# Altium PCB DIO_RJ45.PCBDOC (part 1 of 3) (continued)
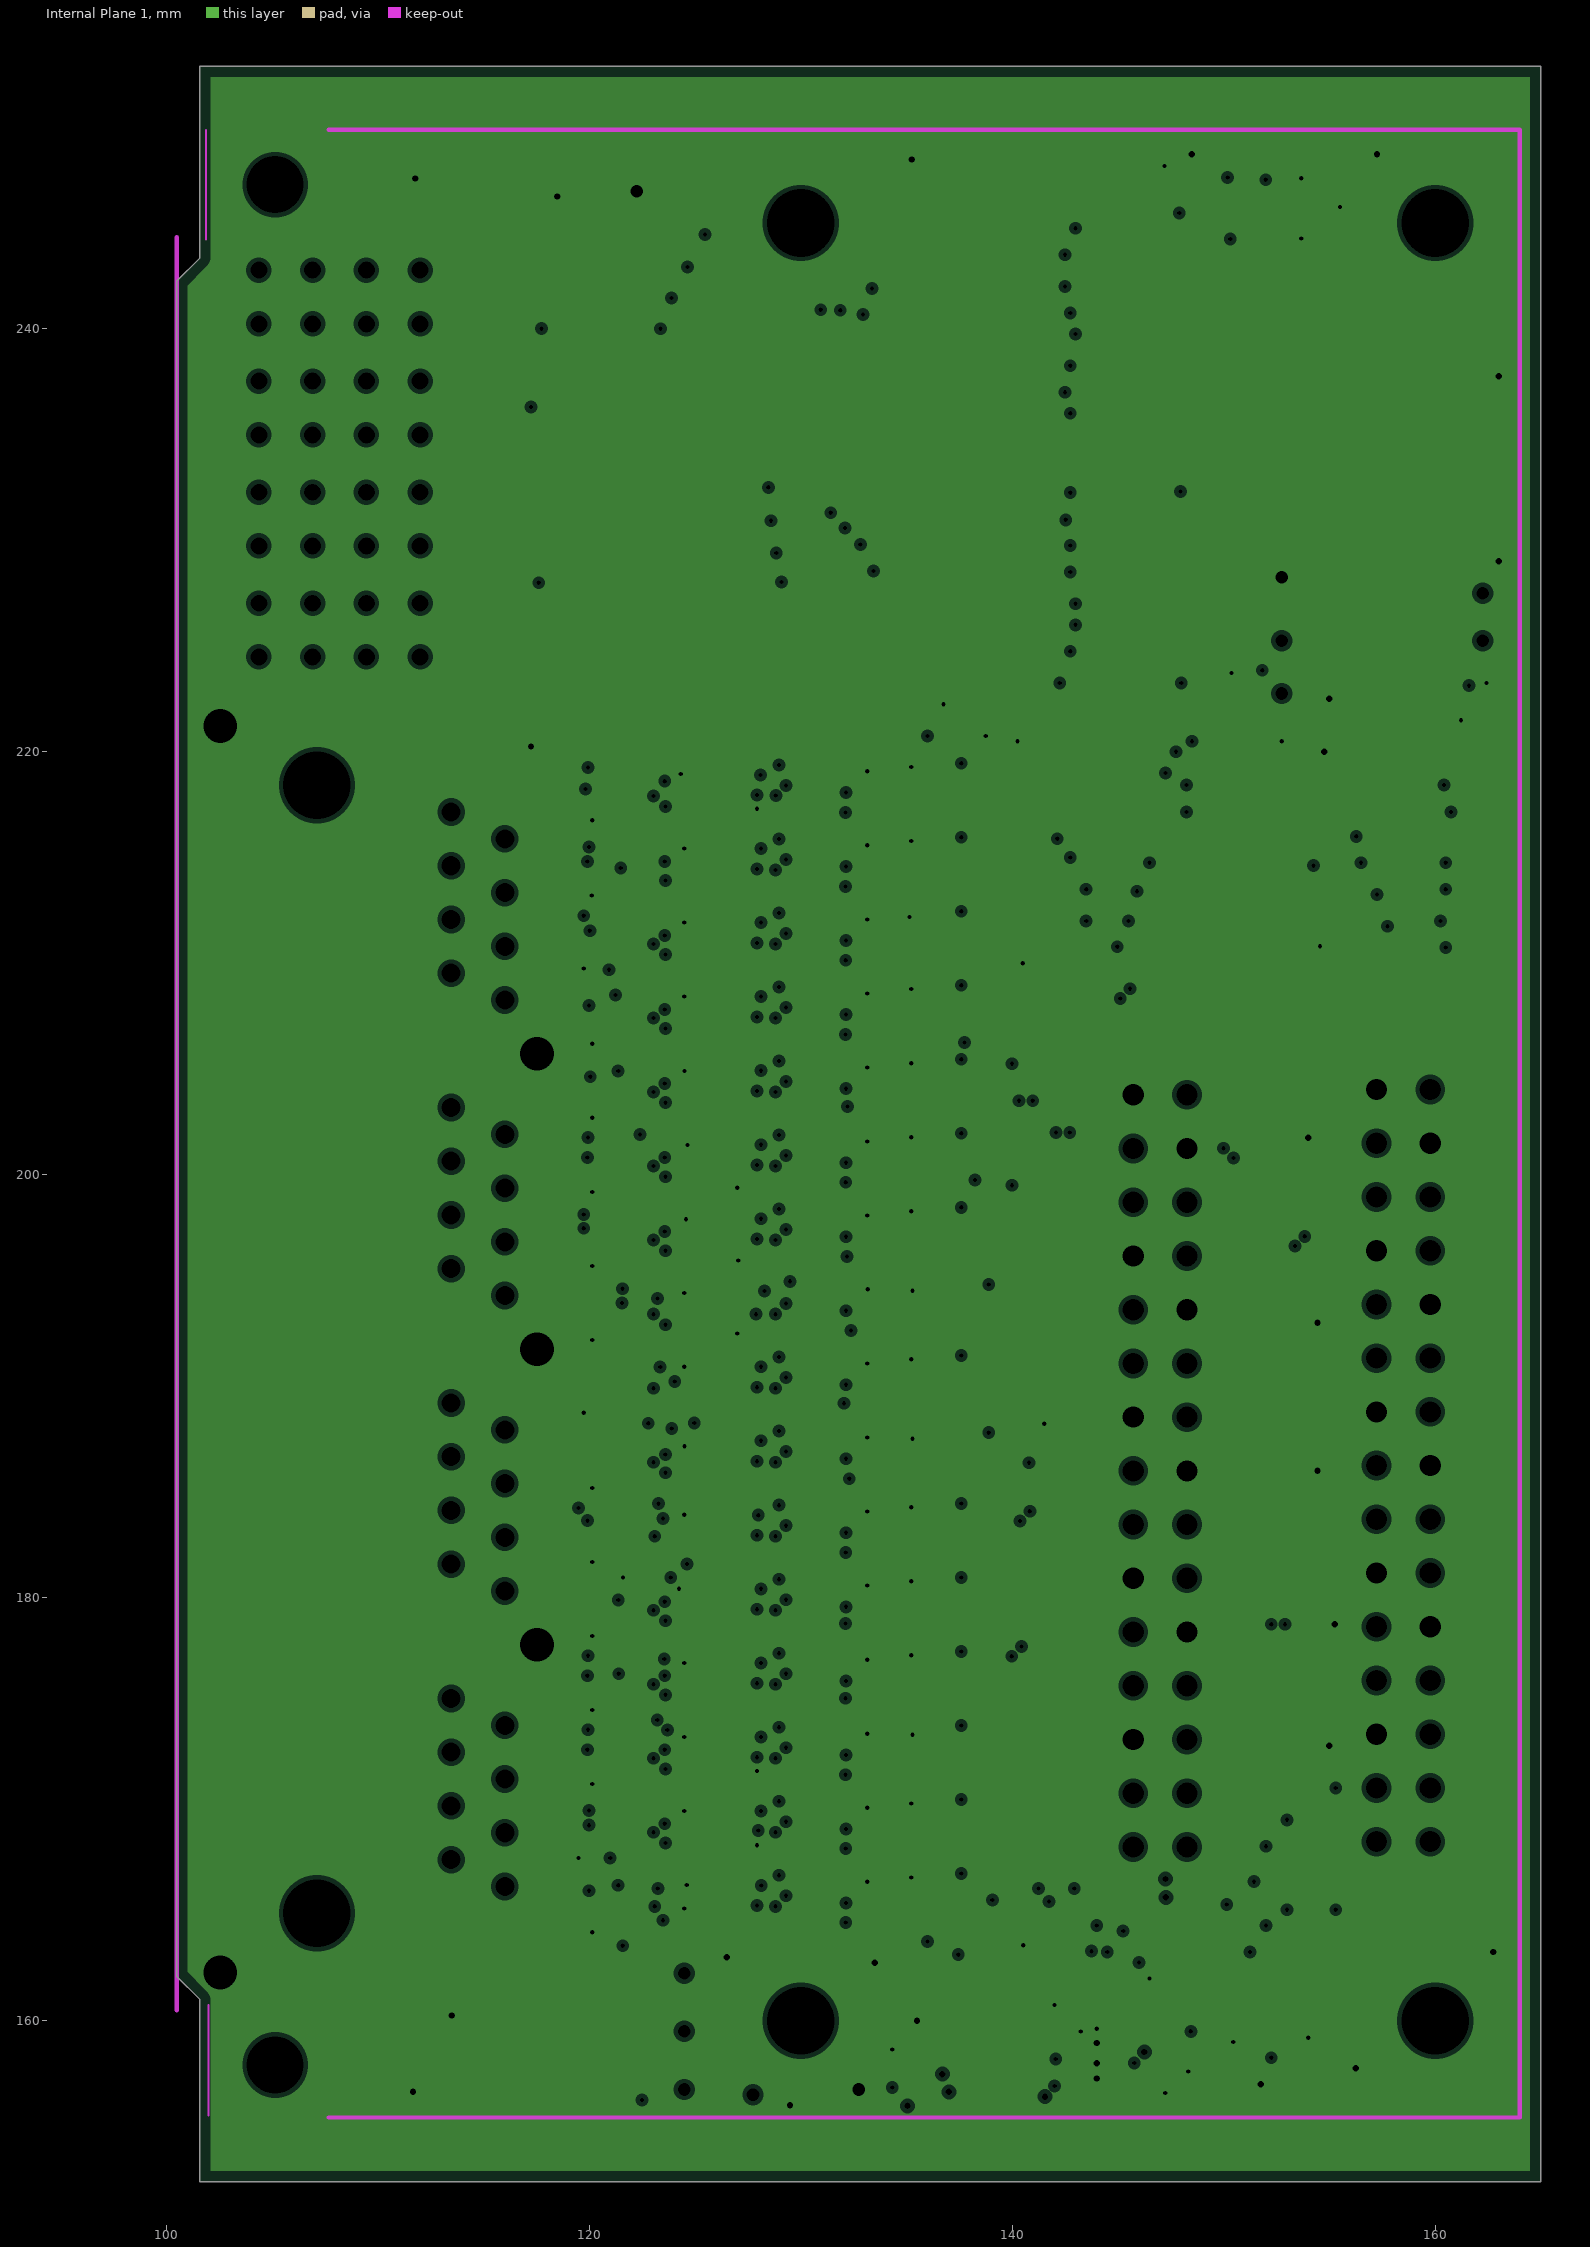
[diagram p3: Internal Plane 1, clearances drawn from the general rule]
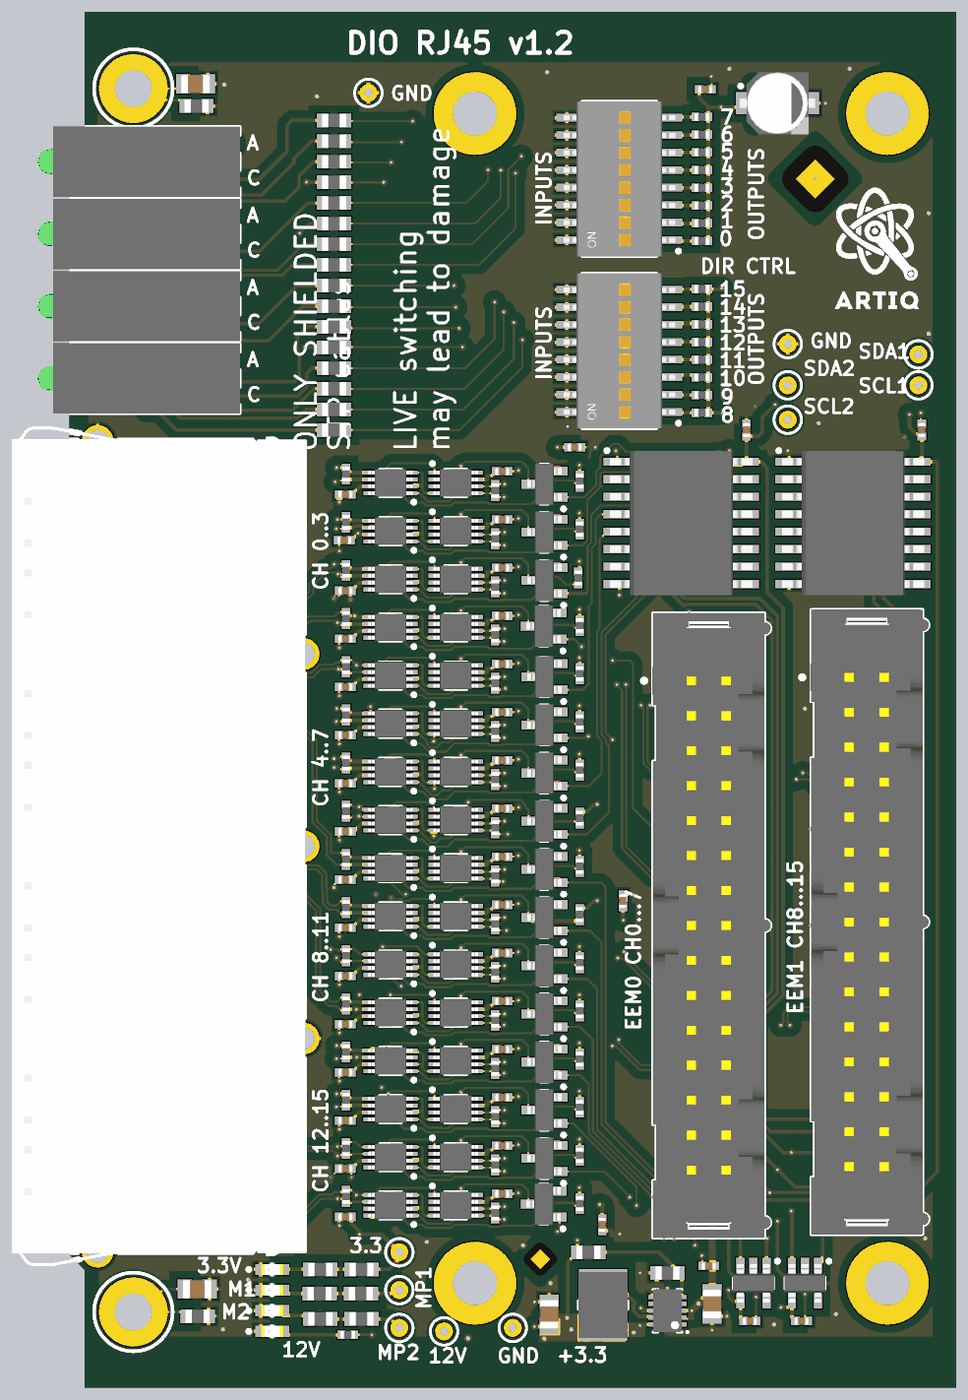
[diagram p6: 3D render of the assembled board from above, using the file's embedded part models]
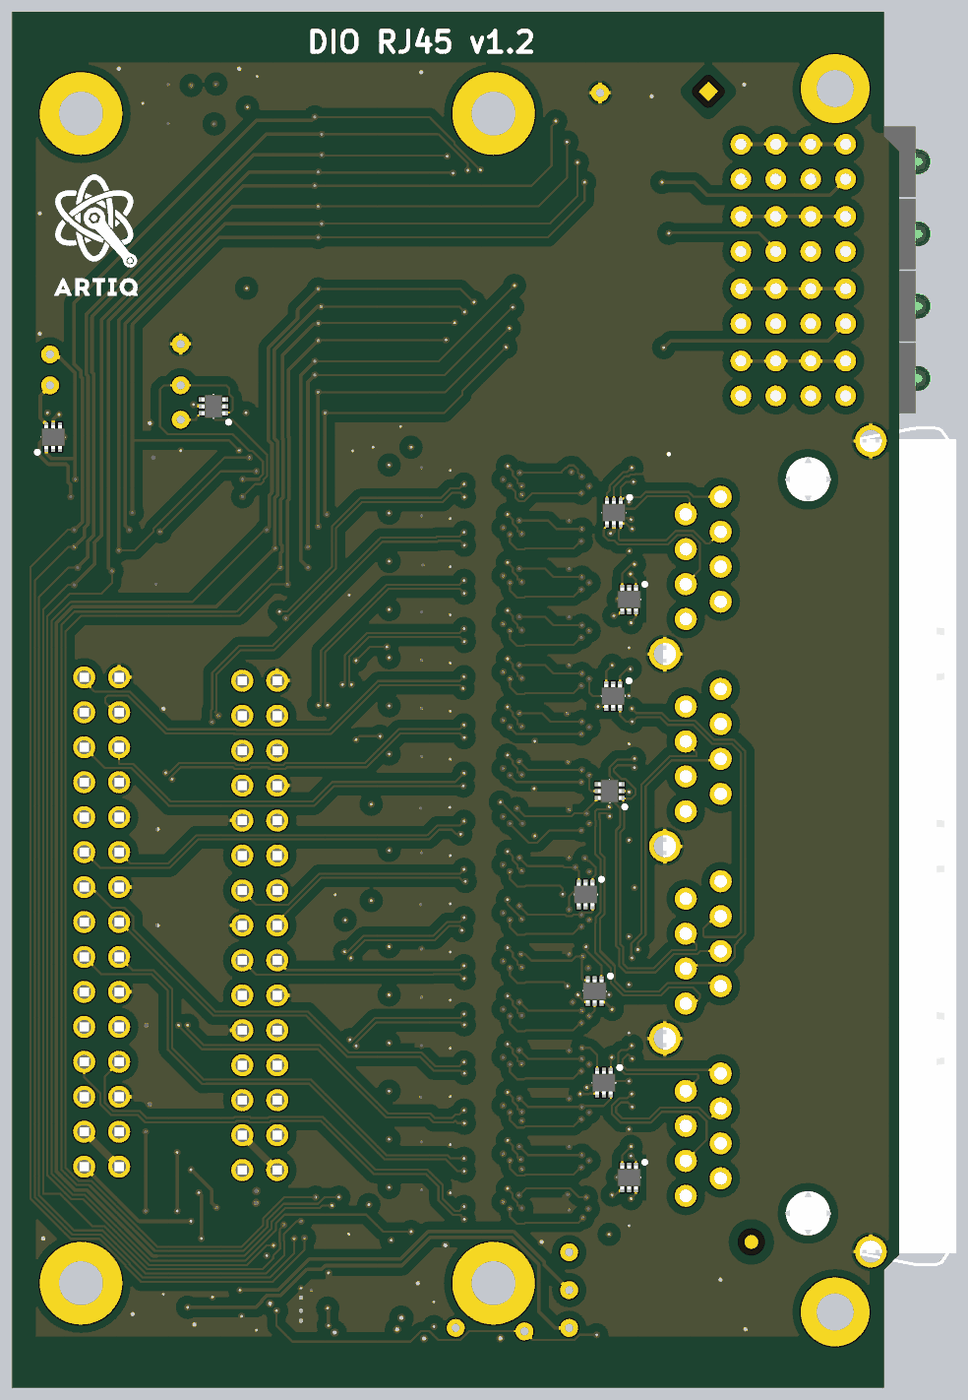
[diagram p7: 3D render of the assembled board from below, using the file's embedded part models]

## Layer stack, top to bottom
TopSolder: solder mask 0.053, Solder Resist, Dk 3.5
TopLayer: signal copper 0.0356
Dielectric1: core 0.36, FR-4, Dk 4.8
Internal Plane 2: plane copper 0.036, net (Multiple Nets)
Dielectric 4: prepreg 0.6, Dk 4.2
Internal Plane 1: plane copper 0.036, net GND
Dielectric2: core 0.36, FR-4, Dk 4.2
BottomLayer: signal copper 0.0356
BottomSolder: solder mask 0.053, Solder Resist, Dk 3.5

## Board outline
101.6,161 100.5,162.1 100.5,242.25 101.6,243.35 101.6,252.4 165,252.4 165,152.4 101.6,152.4

## Design rules (kind name [scope] priority, off if disabled: settings)
AcuteAngle [All] p1: minimum=6.00000000000000E+0001 checktracksonly=FALSE
Clearance Clearance_poly [(InPolygon)] p1: gap=0.6 ignorepadtopadclearanceinfootprint=FALSE except(0: Arc-Hole Track-Hole SMDPad-Hole THPad-Hole Via-Hole Fill-Hole Poly-Hole Region-Hole Text-Hole)
Clearance [All] p2: gap=0.152 ignorepadtopadclearanceinfootprint=FALSE except(0: Arc-Hole Track-Hole SMDPad-Hole THPad-Hole Via-Hole Fill-Hole Poly-Hole Region-Hole Text-Hole)
DiffPairsRouting [All] p1: maxlimit=0.152 minlimit=0.152 mostfreqgap=0.152 toplayer_minwidth=0.152 toplayer_maxwidth=0.152 toplayer_prefwidth=0.152 bottomlayer_minwidth=0.152 bottomlayer_maxwidth=0.152 bottomlayer_prefwidth=0.152 maxuncoupledlength=12.7
HoleSize [All] p1: absolutevalues=TRUE maxlimit=5.08 minlimit=0.2 maxpercent=80.000 minpercent=20.000
MinimumSolderMaskSliver [All] p1: minsoldermaskwidth=0
MinimumSolderMaskSliver SilkscreenOverComponentPads [All] p2: minsoldermaskwidth=0.254
PlaneClearance [All] p1: clearance=0.203
PlaneConnect PlaneConnect_pad [(InPadClass('All Pads'))] p1: planeconnectstyle=Relief reliefexpansion=0.508 reliefentries=4 reliefconductorwidth=0.254 reliefairgap=0.254
PlaneConnect [All] p2: planeconnectstyle=Direct reliefexpansion=0.508 reliefentries=4 reliefconductorwidth=0.254 reliefairgap=0.254
PolygonConnect PolygonConnect_pad [(InPadClass('All Pads'))] p1: connectstyle=Relief reliefconductorwidth=0.254 reliefentries=4 polygonreliefangle="90 Angle" airgapwidth=0.254
PolygonConnect [All] p2: connectstyle=Direct reliefconductorwidth=0.254 reliefentries=4 polygonreliefangle="90 Angle" airgapwidth=0.254
ReturnPath [All] p1 off: _gaplimit=0
RoomDefinition DIO_RJ45 [InComponentClass('DIO_RJ45')] p1 off: confinementstyle=ConfineIn formatcopy=TRUE lockcomponents=FALSE outline 166.133,153.808 206.11,153.808 206.11,161.858 166.133,161.858
RoomDefinition U_LVDS_repeater16 [InComponentClass('U_LVDS_repeater16')] p2 off: confinementstyle=ConfineIn formatcopy=TRUE lockcomponents=FALSE outline 138.546,219.819 119.546,219.819 119.546,216.319 138.546,216.319
RoomDefinition U_LVDS_repeater15 [InComponentClass('U_LVDS_repeater15')] p3 off: confinementstyle=ConfineIn formatcopy=TRUE lockcomponents=FALSE outline 138.546,212.819 119.546,212.819 119.546,209.319 138.546,209.319
RoomDefinition U_LVDS_repeater14 [InComponentClass('U_LVDS_repeater14')] p4 off: confinementstyle=ConfineIn formatcopy=TRUE lockcomponents=FALSE outline 138.546,216.319 119.546,216.319 119.546,212.819 138.546,212.819
RoomDefinition U_LVDS_repeater13 [InComponentClass('U_LVDS_repeater13')] p5 off: confinementstyle=ConfineIn formatcopy=TRUE lockcomponents=FALSE outline 138.546,209.319 119.546,209.319 119.546,205.819 138.546,205.819
RoomDefinition U_LVDS_repeater12 [InComponentClass('U_LVDS_repeater12')] p6 off: confinementstyle=ConfineIn formatcopy=TRUE lockcomponents=FALSE outline 138.546,191.819 119.546,191.819 119.546,188.319 138.546,188.319
RoomDefinition U_LVDS_repeater11 [InComponentClass('U_LVDS_repeater11')] p7 off: confinementstyle=ConfineIn formatcopy=TRUE lockcomponents=FALSE outline 138.546,184.819 119.546,184.819 119.546,181.319 138.546,181.319
RoomDefinition U_LVDS_repeater10 [InComponentClass('U_LVDS_repeater10')] p8 off: confinementstyle=ConfineIn formatcopy=TRUE lockcomponents=FALSE outline 138.546,188.319 119.546,188.319 119.546,184.819 138.546,184.819
RoomDefinition U_LVDS_repeater9 [InComponentClass('U_LVDS_repeater9')] p9 off: confinementstyle=ConfineIn formatcopy=TRUE lockcomponents=FALSE outline 138.546,181.319 119.546,181.319 119.546,177.819 138.546,177.819
RoomDefinition U_LVDS_repeater8 [InComponentClass('U_LVDS_repeater8')] p10 off: confinementstyle=ConfineIn formatcopy=TRUE lockcomponents=FALSE outline 138.546,205.819 119.546,205.819 119.546,202.319 138.546,202.319
RoomDefinition U_LVDS_repeater7 [InComponentClass('U_LVDS_repeater7')] p11 off: confinementstyle=ConfineIn formatcopy=TRUE lockcomponents=FALSE outline 138.546,198.819 119.546,198.819 119.546,195.319 138.546,195.319
RoomDefinition U_LVDS_repeater6 [InComponentClass('U_LVDS_repeater6')] p12 off: confinementstyle=ConfineIn formatcopy=TRUE lockcomponents=FALSE outline 138.546,202.319 119.546,202.319 119.546,198.819 138.546,198.819
RoomDefinition U_LVDS_repeater5 [InComponentClass('U_LVDS_repeater5')] p13 off: confinementstyle=ConfineIn formatcopy=TRUE lockcomponents=FALSE outline 138.546,195.319 119.546,195.319 119.546,191.819 138.546,191.819
RoomDefinition U_LVDS_repeater4 [InComponentClass('U_LVDS_repeater4')] p14 off: confinementstyle=ConfineIn formatcopy=TRUE lockcomponents=FALSE outline 138.546,177.819 119.546,177.819 119.546,174.319 138.546,174.319
RoomDefinition U_LVDS_repeater3 [InComponentClass('U_LVDS_repeater3')] p15 off: confinementstyle=ConfineIn formatcopy=TRUE lockcomponents=FALSE outline 138.546,170.819 119.546,170.819 119.546,167.319 138.546,167.319
RoomDefinition U_LVDS_repeater2 [InComponentClass('U_LVDS_repeater2')] p16 off: confinementstyle=ConfineIn formatcopy=TRUE lockcomponents=FALSE outline 138.546,174.319 119.546,174.319 119.546,170.819 138.546,170.819
RoomDefinition U_LVDS_repeater1 [InComponentClass('U_LVDS_repeater1')] p17 off: confinementstyle=ConfineIn formatcopy=TRUE lockcomponents=FALSE outline 138.546,167.319 119.546,167.319 119.546,163.819 138.546,163.819
RoutingVias [All] p1: holewidth=0.2 width=0.5 viastyle="Through Hole" minholewidth=0.2 minwidth=0.5 maxholewidth=0.5 maxwidth=1
SilkToSilkClearance [All] p1: silktosilkclearance=0
SilkToSolderMaskClearance [IsPad] p1: minsilkscreentomaskgap=0 clearancetoexposedcopper=TRUE
SolderMaskExpansion [All] p1: expansion=0.102 istentingtop=FALSE
ViasUnderSMD ViasUnderSMD_allow [InComponent('IC18') or InComponent('IC10') or InComponent('IC13') or InComponent('IC14') or InComponent('IC15')] p1: allowed=TRUE
ViasUnderSMD [All] p2: allowed=FALSE
Width Width_1 [(InDifferentialPairClass('All Differential Pairs'))] p1: maxlimit=0.203 minlimit=0.203 preferedwidth=0.203
Width [All] p2: maxlimit=2.54 minlimit=0.152 preferedwidth=0.254
23 further rules are at their usual default settings.

## Classes and differential pairs
channel class LVDS_repeater: U_LVDS_repeater1 U_LVDS_repeater2 U_LVDS_repeater3 U_LVDS_repeater4 U_LVDS_repeater5 U_LVDS_repeater6 U_LVDS_repeater7 U_LVDS_repeater8 U_LVDS_repeater9 U_LVDS_repeater10 U_LVDS_repeater11 U_LVDS_repeater12 U_LVDS_repeater13 U_LVDS_repeater14 U_LVDS_repeater15 U_LVDS_repeater16
component class U_LVDS_repeater16: C46P C47P IC19P IC20P R131P R132P R133P T25P
component class U_LVDS_repeater15: C46O C47O IC19O IC20O R131O R132O R133O T25O
component class U_LVDS_repeater14: C46N C47N IC19N IC20N R131N R132N R133N T25N
component class U_LVDS_repeater13: C46M C47M IC19M IC20M R131M R132M R133M T25M
component class U_LVDS_repeater12: C46L C47L IC19L IC20L R131L R132L R133L T25L
component class U_LVDS_repeater11: C46K C47K IC19K IC20K R131K R132K R133K T25K
component class U_LVDS_repeater10: C46J C47J IC19J IC20J R131J R132J R133J T25J
component class U_LVDS_repeater9: C46I C47I IC19I IC20I R131I R132I R133I T25I
component class U_LVDS_repeater8: C46H C47H IC19H IC20H R131H R132H R133H T25H
component class U_LVDS_repeater7: C46G C47G IC19G IC20G R131G R132G R133G T25G
component class U_LVDS_repeater6: C46F C47F IC19F IC20F R131F R132F R133F T25F
component class U_LVDS_repeater5: C46E C47E IC19E IC20E R131E R132E R133E T25E
component class U_LVDS_repeater4: C46D C47D IC19D IC20D R131D R132D R133D T25D
component class U_LVDS_repeater3: C46C C47C IC19C IC20C R131C R132C R133C T25C
component class U_LVDS_repeater2: C46B C47B IC19B IC20B R131B R132B R133B T25B
component class U_LVDS_repeater1: C46A C47A IC19A IC20A R131A R132A R133A T25A
component class DIO_RJ45: B1 B2 B3 B4 B5 B6 B7 B8 B9 B10 B11 B12 B13 C1 C2 C5 C11 C12 C57 C58 C59 C60 C61 C62 C63 C64 C65 C66 C67 C68 D1 D2 D3 D4 D5 D6 D7 D8 D9 D10 FTG21 FTG22 FTG23 FTG24 IC4 IC23 IC24 IC25 IC26 IC27 J4 J14 J15 J24 L2 LD1 LD2 LD3 LD4 LD5 LD6 LD7 LD8 R1 R2 R3 R4 R5 R6 R7 R8 R9 R36 R37 R89 R90 R91 R92 R93 R94 R95 R96 R97 R98 R99 R100 R101 R102 R103 R104 R105 R106 R107 R108 R109 R110 R111 R112 R113 R114 R115 R116 R117 R118 R119 R120 R121 R122 SW5 SW6
differential pair LVDS15: +LVDS15_P -LVDS15_N
differential pair LVDS0: +LVDS0_P -LVDS0_N
differential pair LVDS2: +LVDS1_P -LVDS1_N
differential pair LVDS3: +LVDS2_P -LVDS2_N
differential pair LVDS4: +LVDS3_P -LVDS3_N
differential pair LVDS5: +LVDS4_P -LVDS4_N
differential pair LVDS6: +LVDS5_P -LVDS5_N
differential pair LVDS7: +LVDS6_P -LVDS6_N
differential pair LVDS8: +LVDS7_P -LVDS7_N
differential pair LVDS10: +LVDS9_P -LVDS9_N
differential pair LVDS11: +LVDS10_P -LVDS10_N
differential pair LVDS12: +LVDS11_P -LVDS11_N
differential pair LVDS13: +LVDS12_P -LVDS12_N
differential pair LVDS14: +LVDS13_P -LVDS13_N
differential pair LVDS15: +LVDS14_P -LVDS14_N
differential pair LVDS_IOAA: +LVDS_IOAA_P -LVDS_IOAA_N
differential pair LVDS_IOAB: +LVDS_IOAB_P -LVDS_IOAB_N
differential pair LVDS_IOAC: +LVDS_IOAC_P -LVDS_IOAC_N
differential pair LVDS_IOAD: +LVDS_IOAD_P -LVDS_IOAD_N
differential pair LVDS_IOAE: +LVDS_IOAE_P -LVDS_IOAE_N
differential pair LVDS_IOAF: +LVDS_IOAF_P -LVDS_IOAF_N
differential pair LVDS_IOAG: +LVDS_IOAG_P -LVDS_IOAG_N
differential pair LVDS_IOAH: +LVDS_IOAH_P -LVDS_IOAH_N
differential pair LVDS_IOAI: +LVDS_IOAI_P -LVDS_IOAI_N
differential pair LVDS_IOAJ: +LVDS_IOAJ_P -LVDS_IOAJ_N
differential pair LVDS_IOAK: +LVDS_IOAK_P -LVDS_IOAK_N
differential pair LVDS_IOAL: +LVDS_IOAL_P -LVDS_IOAL_N
differential pair LVDS_IOAM: +LVDS_IOAM_P -LVDS_IOAM_N
differential pair LVDS_IOAN: +LVDS_IOAN_P -LVDS_IOAN_N
differential pair LVDS_IOAO: +LVDS_IOAO_P -LVDS_IOAO_N
differential pair LVDS_IOAP: +LVDS_IOAP_P -LVDS_IOAP_N
differential pair LVDS9: +LVDS8_P -LVDS8_N

## Components (designator, comment, footprint, x,y, rotation, side; value= is the part's Value field where it differs from the comment)
B1 "Plated Hole" c130h60 162.25,227.5 r0 top
B2 "Plated Hole" c130h60 162.25,225.25 r0 top
B3 "Plated Hole" c130h60 152.75,225.25 r0 top
B4 "Plated Hole" c130h60 152.75,222.75 r0 top
B5 "Plated Hole" c130h60 132.75,156.75 r0 top
B6 "Plated Hole" c130h60 124.5,156.75 r0 top
B7 "Plated Hole" c130h60 122.25,246.5 r0 top
B8 "Plated Hole" c130h60 124.5,159.5 r0 top
B9 "Plated Hole" c130h60 152.75,228.25 r0 top
B10 "Plated Hole" c130h60 124.5,162.25 r0 top
B11 "Plated Hole" c130h60 127.75,156.5 r0 top
B12 "Plated Hole" MTG270_500 105.156,246.812 r0 top
B13 "Plated Hole" MTG270_500 105.156,157.912 r0 top
C1 "Undefined" CAPC2012X135N 109.675,247.15 r0 top
C2 "Undefined" CAPC2012X135N 109.8,159.575 r0 top
C46A "100nF" CAPC1005X55N 131.982,166.498 r180 top (schematic designator C46)
C46B "100nF" CAPC1005X55N 131.982,173.498 r180 top (schematic designator C46)
C46C "100nF" CAPC1005X55N 131.982,169.998 r180 top (schematic designator C46)
C46D "100nF" CAPC1005X55N 131.982,176.998 r180 top (schematic designator C46)
C46E "100nF" CAPC1005X55N 131.982,194.498 r180 top (schematic designator C46)
C46F "100nF" CAPC1005X55N 131.982,201.498 r180 top (schematic designator C46)
C46G "100nF" CAPC1005X55N 131.982,197.998 r180 top (schematic designator C46)
C46H "100nF" CAPC1005X55N 131.982,204.998 r180 top (schematic designator C46)
C46I "100nF" CAPC1005X55N 131.982,180.498 r180 top (schematic designator C46)
C46J "100nF" CAPC1005X55N 131.982,187.498 r180 top (schematic designator C46)
C46K "100nF" CAPC1005X55N 131.982,183.998 r180 top (schematic designator C46)
C46L "100nF" CAPC1005X55N 131.982,190.998 r180 top (schematic designator C46)
C46M "100nF" CAPC1005X55N 131.982,208.498 r180 top (schematic designator C46)
C46N "100nF" CAPC1005X55N 131.982,215.498 r180 top (schematic designator C46)
C46O "100nF" CAPC1005X55N 131.982,211.998 r180 top (schematic designator C46)
C46P "100nF" CAPC1005X55N 131.982,218.998 r180 top (schematic designator C46)
C47A "100nF" CAPC1005X55N 120.577,164.826 r0 top (schematic designator C47)
C47B "100nF" CAPC1005X55N 120.577,171.826 r0 top (schematic designator C47)
C47C "100nF" CAPC1005X55N 120.577,168.326 r0 top (schematic designator C47)
C47D "100nF" CAPC1005X55N 120.577,175.326 r0 top (schematic designator C47)
C47E "100nF" CAPC1005X55N 120.577,192.826 r0 top (schematic designator C47)
C47F "100nF" CAPC1005X55N 120.577,199.826 r0 top (schematic designator C47)
C47G "100nF" CAPC1005X55N 120.577,196.326 r0 top (schematic designator C47)
C47H "100nF" CAPC1005X55N 120.577,203.326 r0 top (schematic designator C47)
C47I "100nF" CAPC1005X55N 120.577,178.826 r0 top (schematic designator C47)
C47J "100nF" CAPC1005X55N 120.577,185.826 r0 top (schematic designator C47)
C47K "100nF" CAPC1005X55N 120.577,182.326 r0 top (schematic designator C47)
C47L "100nF" CAPC1005X55N 120.577,189.326 r0 top (schematic designator C47)
C47M "100nF" CAPC1005X55N 120.577,206.826 r0 top (schematic designator C47)
C47N "100nF" CAPC1005X55N 120.5,213.992 r0 top (schematic designator C47)
C47O "100nF" CAPC1005X55N 120.577,210.326 r0 top (schematic designator C47)
C47P "100nF" CAPC1005X55N 120.577,217.326 r0 top (schematic designator C47)
C57 "100nF" CAPC1005X55N 162.5,222 r270 top
C58 "100nF" CAPC1005X55N 150,157.25 r180 top
C59 "100nF" CAPC1005X55N 137.25,220.75 r180 top
C60 "100nF" CAPC1005X55N 140.767,187.782 r270 top
C61 "100nF" CAPC1005X55N 146.75,246.75 r180 top
C62 "10uF" CAPAE430X540N 152,245.75 r0 top
C63 "100nF" CAPC1005X55N 153.75,157.25 r180 top
C64 "100nF" CAPC1005X55N 149.75,222 r270 top
C65 "100nF" CAPC1005X55N 139.25,164.25 r90 top
C66 "22uF" CAPC2012X135N 135.407,157.743 r270 top
C67 "100nF" CAPC1005X55N 147,161.25 r0 top
C68 "22uF" CAPC2012X135N 147.25,158.5 r90 top
D1 "NUP4114UPXV6T1G" SOTFL50P160X60-6N 121.25,216 r270 bottom
D2 "NUP4114UPXV6T1G" SOTFL50P160X60-6N 120.145,209.691 r270 bottom
D3 "NUP4114UPXV6T1G" SOTFL50P160X60-6N 123.3,188.25 r270 bottom
D4 "NUP4114UPXV6T1G" SOTFL50P160X60-6N 122.65,181.225 r270 bottom
D5 "NUP4114UPXV6T1G" SOTFL50P160X60-6N 121.3,202.675 r270 bottom
D6 "NUP4114UPXV6T1G" SOTFL50P160X60-6N 121.555,195.764 r0 bottom
D7 "NUP4114UPXV6T1G" SOTFL50P160X60-6N 121.975,174.575 r270 bottom
D8 "NUP4114UPXV6T1G" SOTFL50P160X60-6N 120.145,167.691 r270 bottom
D9 "NUP4114UPXV6T1G" SOTFL50P160X60-6N 162.025,221.49 r90 bottom
D10 "NUP4114UPXV6T1G" SOTFL50P160X60-6N 150.368,223.724 r0 bottom
FTG21 "Use only in PCB" FIDUCIAL_TOP_C100-200 111.25,163 r90 bottom
FTG22 "Use only in PCB" FIDUCIAL_TOP_S100-200 134.75,161.75 r90 top
FTG23 "Use only in PCB" FIDUCIAL_TOP_S200-400 154.75,240.25 r0 top
FTG24 "Use only in PCB" FIDUCIAL_TOP_S100-200 114.376,246.609 r90 bottom
IC19A "FIN1101K8X" SOP50P310X90-8N 123.854,165.66 r180 top (schematic designator IC19)
IC19B "FIN1101K8X" SOP50P310X90-8N 123.854,172.66 r180 top (schematic designator IC19)
IC19C "FIN1101K8X" SOP50P310X90-8N 123.854,169.16 r180 top (schematic designator IC19)
IC19D "FIN1101K8X" SOP50P310X90-8N 123.854,176.16 r180 top (schematic designator IC19)
IC19E "FIN1101K8X" SOP50P310X90-8N 123.854,193.66 r180 top (schematic designator IC19)
IC19F "FIN1101K8X" SOP50P310X90-8N 123.854,200.66 r180 top (schematic designator IC19)
IC19G "FIN1101K8X" SOP50P310X90-8N 123.854,197.16 r180 top (schematic designator IC19)
IC19H "FIN1101K8X" SOP50P310X90-8N 123.854,204.16 r180 top (schematic designator IC19)
IC19I "FIN1101K8X" SOP50P310X90-8N 123.854,179.66 r180 top (schematic designator IC19)
IC19J "FIN1101K8X" SOP50P310X90-8N 123.854,186.66 r180 top (schematic designator IC19)
IC19K "FIN1101K8X" SOP50P310X90-8N 123.854,183.16 r180 top (schematic designator IC19)
IC19L "FIN1101K8X" SOP50P310X90-8N 123.854,190.16 r180 top (schematic designator IC19)
IC19M "FIN1101K8X" SOP50P310X90-8N 123.854,207.66 r180 top (schematic designator IC19)
IC19N "FIN1101K8X" SOP50P310X90-8N 123.854,214.66 r180 top (schematic designator IC19)
IC19O "FIN1101K8X" SOP50P310X90-8N 123.854,211.16 r180 top (schematic designator IC19)
IC19P "FIN1101K8X" SOP50P310X90-8N 123.854,218.16 r180 top (schematic designator IC19)
IC20A "FIN1101K8X" SOP50P310X90-8N 128.603,165.66 r0 top (schematic designator IC20)
IC20B "FIN1101K8X" SOP50P310X90-8N 128.603,172.66 r0 top (schematic designator IC20)
IC20C "FIN1101K8X" SOP50P310X90-8N 128.603,169.16 r0 top (schematic designator IC20)
IC20D "FIN1101K8X" SOP50P310X90-8N 128.603,176.16 r0 top (schematic designator IC20)
IC20E "FIN1101K8X" SOP50P310X90-8N 128.603,193.66 r0 top (schematic designator IC20)
IC20F "FIN1101K8X" SOP50P310X90-8N 128.603,200.66 r0 top (schematic designator IC20)
IC20G "FIN1101K8X" SOP50P310X90-8N 128.603,197.16 r0 top (schematic designator IC20)